# KiCad board ts52k.kicad_pcb (continued)
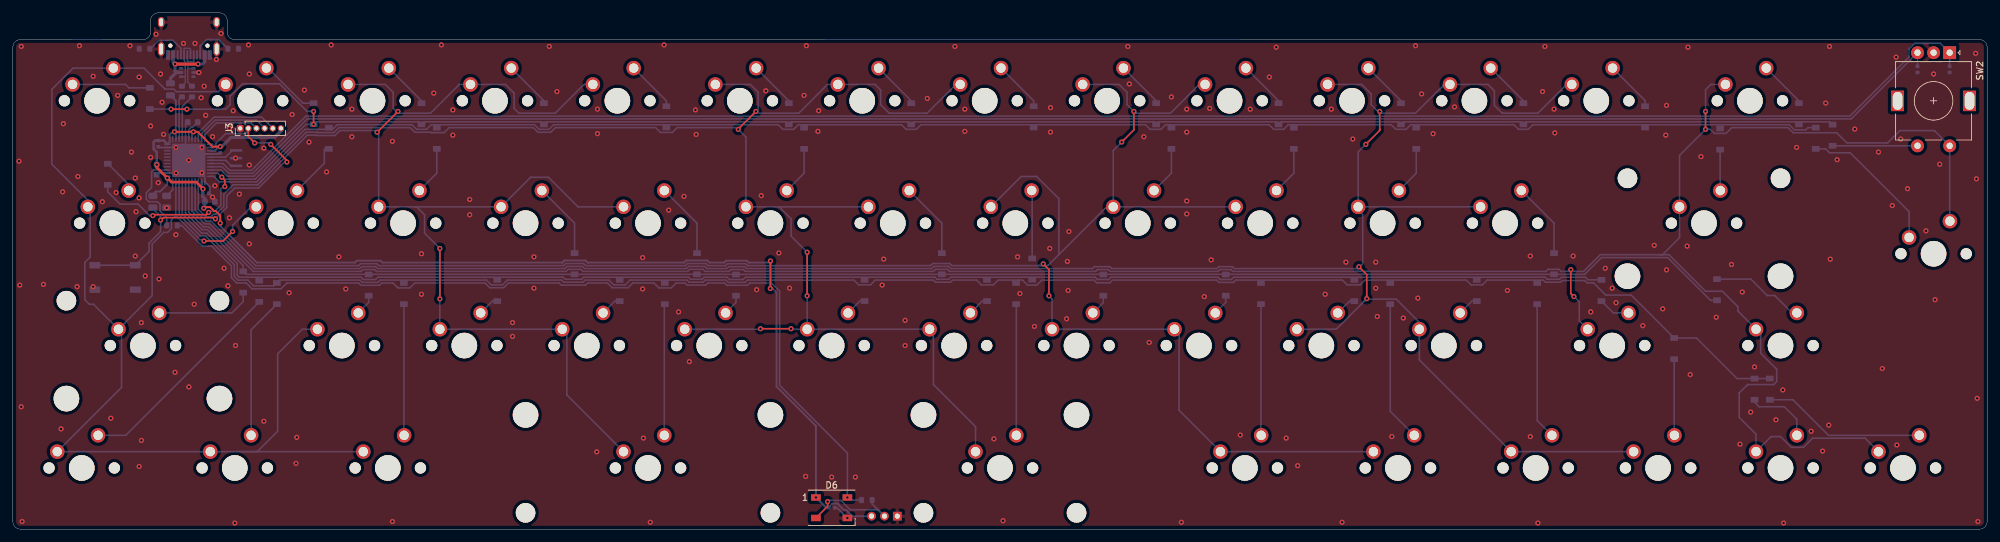
[diagram p0: board, top side]
## Routing (per net, layer and track width the routed paths; a pad name or vN(x,y) marks a point on that pad's centre or on a via; arc(x,y) is an arc through that point) (continued)
col3: length 252
  Top w0.25: v1(123.59,36.31) v1(123.59,43.1) ; v1(116.32,31.19) v1(121.09,31.19) ; v1(115.61,65.02) 112.87,62.28 v1(112.87,62.22)
  Bottom w0.25: 146.73,69.22 142.25,64.74 136.35,64.74 135.02,66.08 135.02,68.34 134.14,69.22 MX29.1 126.74,69.22 122.27,64.74 116.11,64.74 115.84,65.02 v1(115.61,65.02) 115.97,65.38 115.97,67.98 114.74,69.22 MX25.1 ; MX35.1 MX31.1 ; MX31.1 v1(123.59,36.31) ; MX31.1 121.17,31.12 v1(121.09,31.19) ; 119.22,50.17 121.09,48.3 121.09,45.6 v1(123.59,43.1) ; 119.22,50.17 MX30.1 ; 119.22,50.17 114.06,50.17 ; v1(116.32,31.19) 116.25,31.12 MX27.1 ; U1.22 31.3,54.9 32.16,54.04 37.89,54.04 45.63,61.78 47.39,61.78 47.45,61.72 49.93,61.72 50.71,62.49 61.81,62.49 62.53,61.78 64.98,61.78 65.04,61.72 67.1,61.72 67.88,62.49 80.97,62.49 81.69,61.78 83.7,61.78 84.42,62.49 100.01,62.49 100.75,61.75 102.6,61.75 103.35,62.49 112.6,62.49 v1(112.87,62.22) 114.06,61.03 MX26.1 ; MX60.1 149.78,15.95 143.23,22.5 143.23,30.36
col4: length 313.6
  Top w0.25: v1(160.32,41.29) 161.21,40.4 v1(161.21,36.31) ; v1(174.43,65.02) 174.43,62.15 v1(172.52,60.25)
  Bottom w0.25: 159.61,41.01 160.05,41.01 v1(160.32,41.29) ; 159.61,41.01 146.12,41.01 145.79,41.34 143.13,41.34 142.81,41.01 114.32,41.01 114.02,41.31 111.19,41.31 110.9,41.01 108.18,41.01 107.85,41.34 104.97,41.34 104.64,41.01 89.13,41.01 88.8,41.34 86.03,41.34 85.7,41.01 56.94,41.01 56.65,41.31 54.09,41.31 53.8,41.01 37.77,41.01 30.82,47.96 30.02,47.96 28.37,49.62 U1.26 ; 159.61,41.01 161.03,41.01 162.76,42.74 ; MX34.1 156.88,54.89 159.31,54.89 162.76,51.44 162.76,42.74 ; 162.76,42.74 170.18,50.17 MX38.1 ; 184.59,69.22 180.12,64.74 174.69,64.74 ; v1(174.43,65.02) 174.69,64.75 174.69,64.74 ; MX43.1 MX38.1 ; MX38.1 171.21,58.94 v1(172.52,60.25) ; 174.69,64.74 173.36,66.08 173.36,67.98 172.13,69.22 MX37.1 ; v1(161.21,36.31) 161.69,35.84 MX39.1 MX44.1 181.45,30.4 181.45,18.49 MX81.1 MX82.1
col5: length 357.3
  Top w0.25: v1(210.66,35.87) 210.66,39.61 v1(209.43,40.84) ; v1(212.67,65.02) 212.67,62.25 ; 212.67,62.25 212.67,62.06 v1(210.5,59.89) ; 212.67,62.25 212.65,62.22
  Bottom w0.25: MX48.1 205.9,31.12 209.91,35.12 ; MX56.1 MX47.1 209.31,58.7 v1(210.5,59.89) ; 208.99,40.56 190.02,40.56 189.73,40.86 187.63,40.86 187.34,40.56 170.97,40.56 170.68,40.86 168.29,40.86 168,40.56 145.93,40.56 145.6,40.89 143.32,40.89 142.99,40.56 114.13,40.56 113.84,40.86 111.38,40.86 111.09,40.56 107.99,40.56 107.67,40.89 105.15,40.89 104.83,40.56 88.94,40.56 88.62,40.89 86.21,40.89 85.89,40.56 56.75,40.56 56.46,40.86 54.28,40.86 53.99,40.56 37.58,40.56 30.63,47.51 29.84,47.51 27.87,49.48 U1.27 ; 208.99,40.56 209.16,40.56 v1(209.43,40.84) ; 208.99,40.56 209.28,40.56 210.03,41.31 210.03,48.93 209.31,49.65 ; MX51.1 229.51,69.22 230.51,68.22 230.51,65.96 231.7,64.77 231.82,64.77 231.84,64.74 237.29,64.74 241.76,69.22 ; MX52.1 218.84,32.2 215.24,35.8 210.74,35.8 v1(210.66,35.87) 209.91,35.12 ; MX46.1 209.87,69.22 211.34,67.75 211.34,66.08 212.67,64.74 ; 212.67,64.74 v1(212.67,65.02) ; 212.67,64.74 218.24,64.74 222.71,69.22 ; 209.91,35.12 210.58,35.8 ; 218.84,30.94 218.84,26.35 MX58.1 MX61.1
col6: length 405.2
  Top w0.25: v1(242.4,40.39) 242.4,36.68 v1(242.89,36.2) ; v1(263.37,65.02) v1(263.37,62.22)
  Bottom w0.25: 256.13,42.72 256.68,42.72 259.32,45.36 MX65.1 259.32,58.17 v1(263.37,62.22) 264.13,62.22 264.75,61.6 266.55,61.6 267.45,62.49 276.2,62.49 276.99,61.7 283.76,61.7 285.35,60.12 291.69,60.12 293.61,62.03 298.98,62.03 SW2.S2 301.35,47.98 ; 256.13,42.72 246.99,42.72 244.39,40.11 242.4,40.11 ; 256.13,42.72 257.68,42.72 263.37,37.03 265.99,37.03 268.39,34.63 268.39,33.95 MX66.1 271.94,30.4 271.94,27.38 274.44,24.88 274.44,22.98 273.96,22.5 269.92,22.5 268.61,21.19 268.61,17.38 271.22,14.76 MX67.1 273.57,14.41 275.04,14.41 276.7,12.74 278.61,12.74 280.02,14.16 288.18,14.16 MX71.1 ; MX75.1 243.72,32.42 243.72,35.36 v1(242.89,36.2) ; v1(263.37,65.02) 263.37,68.39 264.2,69.22 MX64.1 ; 242.4,40.11 240.87,40.11 240.55,40.44 238.87,40.44 238.54,40.11 189.8,40.11 189.5,40.41 187.82,40.41 187.52,40.11 170.74,40.11 170.45,40.41 168.76,40.41 168.46,40.11 145.74,40.11 145.42,40.44 143.56,40.44 143.23,40.11 113.94,40.11 113.65,40.41 111.72,40.41 111.43,40.11 107.69,40.11 107.37,40.44 105.34,40.44 105.01,40.11 88.7,40.11 88.38,40.44 86.4,40.44 86.07,40.11 56.56,40.11 56.27,40.41 54.46,40.41 54.17,40.11 37.4,40.11 30.45,47.06 29.65,47.06 27.37,49.35 U1.28 ; 242.4,40.11 v1(242.4,40.39)
D+: length 8
  Bottom w0.2: J1.A6 27.14,72.99 27.22,72.91 ; U2.1 27.23,71.73 27.22,71.72 ; 27.22,71.72 27.22,72.91 ; 27.22,71.72 27.22,69.58 R2.2 ; 27.22,72.91 27.35,72.79 28.09,72.79 28.14,72.84 J1.B6
D-: length 8.7
  Bottom w0.2: U2.4 26.79,70.43 26.82,70.4 ; R3.2 26.82,69.45 26.82,70.4 ; 26.82,70.4 26.82,72.75 26.64,72.93 J1.B7 26.64,74.79 26.69,74.84 27.51,74.84 27.64,74.7 J1.A7
MISO: length 9.8
  Bottom w0.25: U1.11 29.87,61.42 31.67,63.22 37.07,63.22 J3.3
MOSI: length 12
  Bottom w0.25: U1.10 29.37,61.55 31.48,63.67 37.89,63.67 J3.4
RESET: length 58.1
  Top w0.25: v1(42.64,57.13) 42.64,57.37 v1(40.12,59.89) ; J3.2 36.63,61.12 37.39,60.36 37.39,60.35 v1(37.62,60.11) ; v1(31.52,48.3) 31.33,48.49 23.41,48.49 23.13,48.21
  Bottom w0.25: v1(40.12,59.89) 39.9,60.11 v1(37.62,60.11) ; v1(42.64,57.13) 42.26,57.13 38.23,53.1 34.53,53.1 33.27,51.85 33.27,50.06 v1(31.52,48.3) ; 36.79,62.15 36.2,61.56 33.1,61.56 31.57,60.02 31.57,59.68 31.29,59.4 U1.13 ; 21.79,49.89 22.98,48.7 v1(22.98,48.1) 22.98,46.31 21.19,44.52 21.19,43.22 SW1.2 SW1.2
RGB: length 13.4
  Bottom w0.25: U1.36 22.92,55.9 22.86,55.96 21.91,55.96 21.58,55.64 21.58,53.19 20.76,52.37 20.76,51.37 21.18,50.96 22.49,50.96 22.91,50.55 22.91,49.55 23.94,48.51 R8.1
RGB2: length 16.5
  Top w0.25: v1(126.76,4.28) 126.76,3.55 D6.2
  Bottom w0.25: v1(126.76,4.28) 126.95,4.47 128.84,4.47 130.29,3.02 134.61,3.02 J2.2 133.7,3.94 R7.1
row1: length 291.1
  Top w0.25: v1(24.62,65.37) v1(27.09,65.37) ; v1(46.79,65.02) v1(46.79,63)
  Bottom w0.25: v1(46.79,65.02) 45.79,65.02 41.49,69.32 35.75,69.32 33.81,67.39 33.81,66.08 33.1,65.37 v1(27.09,65.37) ; D2.1 24.6,65.38 v1(24.62,65.37) ; 277.5,63.39 282.71,63.39 282.92,63.18 ; 277.5,63.39 D63.1 ; 277.5,63.39 235.42,63.39 D51.2 234.64,63.39 216.37,63.39 D46.1 215.59,63.39 197.32,63.39 D42.2 196.54,63.39 178.27,63.39 D37.1 177.49,63.39 140.17,63.39 D29.2 139.39,63.39 121.12,63.39 D25.1 120.34,63.39 83.02,63.39 D16.2 82.24,63.39 63.97,63.39 D11.1 63.19,63.39 47.18,63.39 v1(46.79,63) 45.58,63 37.52,54.94 33.38,54.94 32.42,55.9 U1.20
row2: length 284.5
  Top w0.25: 22.03,48.94 30.1,48.94 v1(30.47,49.3) ; v1(32.5,54.79) 32.98,54.32 v1(32.98,53.32)
  Bottom w0.25: U1.21 31.89,55.4 v1(32.5,54.79) 32.5,54.65 32.66,54.49 37.71,54.49 45.44,62.23 49.72,62.23 50.44,62.94 62.11,62.94 62.83,62.23 64.37,62.23 65.09,62.94 81.16,62.94 81.88,62.23 83.42,62.23 84.14,62.94 119.09,62.94 119.8,62.23 121.48,62.23 122.2,62.94 138.27,62.94 138.99,62.23 140.57,62.23 141.29,62.94 176.24,62.94 176.96,62.23 178.63,62.23 179.35,62.94 195.46,62.94 196.18,62.23 197.72,62.23 198.44,62.94 214.47,62.94 215.19,62.23 216.77,62.23 217.49,62.94 233.56,62.94 234.28,62.23 235.78,62.23 236.5,62.94 276.39,62.94 277.18,62.15 278.96,62.15 279.3,62.49 D87.2 ; D3.1 14.76,52.51 16.67,50.6 19.47,50.6 21.27,48.8 v1(21.77,48.8) ; v1(32.98,53.32) 32.72,53.32 32.37,52.97 32.37,50.44 31.4,49.47 30.64,49.47 v1(30.47,49.3)
row3: length 251.4
  Bottom w0.25: 55.4,39.66 D56.2 244.57,39.66 247.17,42.27 257.49,42.27 264.14,35.62 D65.1 ; 55.33,39.66 36.28,39.66 D4.1 35.84,41.04 30.26,46.61 29.46,46.61 26.87,49.21 U1.29
row4: length 233.4
  Bottom w0.25: D88.1 245.09,38.8 244.67,39.21 240.94,39.21 240.62,38.89 238.73,38.89 238.41,39.21 189.95,39.21 189.59,38.86 187.84,38.86 187.48,39.21 170.86,39.21 170.5,38.86 168.76,38.86 168.4,39.21 145.93,39.21 145.6,38.89 143.8,38.89 143.47,39.21 113.99,39.21 113.63,38.86 111.49,38.86 111.13,39.21 107.56,39.21 107.23,38.89 105.46,38.89 105.13,39.21 88.82,39.21 88.5,38.89 85.93,38.89 85.61,39.21 56.79,39.21 56.43,38.86 54.53,38.86 54.17,39.21 35.2,39.21 34.91,39.5 34.91,41.32 30.16,46.08 29.36,46.08 26.37,49.07 U1.30
row5: length 271.6
  Bottom w0.25: D70.2 D66.1 268.27,23.44 261.96,29.75 D61.2 251.8,36.43 247.84,36.43 245.93,38.34 244.91,38.34 244.56,38.7 241.06,38.7 240.8,38.44 238.45,38.44 238.13,38.76 229.38,38.76 228.64,38.02 226.89,38.02 226.15,38.77 210.36,38.77 209.62,38.02 207.6,38.02 206.86,38.76 190.26,38.76 189.9,38.41 187.65,38.41 187.29,38.76 171.09,38.76 170.67,38.34 168.64,38.34 168.21,38.77 160.09,38.77 159.31,37.98 157.88,37.98 157.09,38.76 153.3,38.76 152.56,38.02 150.69,38.02 149.95,38.76 146.21,38.76 145.88,38.44 143.56,38.44 143.23,38.76 134.18,38.76 133.44,38.02 131.59,38.02 130.85,38.76 114.3,38.76 113.94,38.41 111.3,38.41 110.94,38.76 107.74,38.76 107.42,38.44 105.22,38.44 104.89,38.76 96.03,38.76 95.29,38.02 93.49,38.02 92.75,38.76 89.06,38.76 88.73,38.44 85.69,38.44 85.37,38.76 76.91,38.76 76.17,38.02 74.44,38.02 73.7,38.76 57.15,38.76 56.79,38.41 54.35,38.41 53.99,38.76 41.52,38.76 D9.1 40.62,37.86 37.45,37.86 36.55,38.76 35.01,38.76 34.46,39.32 34.46,41.14 29.97,45.63 29.18,45.63 25.87,48.94 U1.31
rpg1: length 282.6
  Bottom w0.25: 301.35,72.15 301.35,74.16 ; U1.18 32.69,56.9 33.76,55.84 37.15,55.84 45.6,64.29 285.84,64.29 295.02,73.48 295.02,74.76 295.87,75.61 299.91,75.61 SW2.A
rpg2: length 275.8
  Bottom w0.25: U1.19 32.56,56.4 33.57,55.39 37.33,55.39 45.79,63.84 286.03,63.84 SW2.B ; 296.34,72.15 296.34,74.16
SCLK: length 14.3
  Bottom w0.25: J3.5 38.71,64.12 31.3,64.12 28.87,61.69 U1.9
Net-(C1-Pad1): length 3.3
  Bottom w0.25: U1.6 27.37,62.14 27.79,62.57 27.98,62.57 C1.1
Net-(D2-Pad2): length 12.2
  Bottom w0.25: MX2.1 17.54,69.22 18.07,68.68 D2.2
Net-(D3-Pad2): length 4.6
  Bottom w0.25: 14.8,56.88 18.02,53.66
Net-(D4-Pad2): length 15.1
  Bottom w0.25: 35.84,36.69 35.84,35.42 34.07,33.66 MX4.2
Net-(D5-Pad2): length 33.7
  Bottom w0.25: MX5.2 17.57,14.61 D5.2
Net-(D6-Pad4): length 142.2
  Bottom w0.25: R7.2 130.26,4.52 v1(129.85,4.93) 129.85,11.84 119.3,22.38 119.3,37.03 118.01,38.31 114.66,38.31 114.3,37.96 111.09,37.96 110.73,38.31 108.11,38.31 107.78,37.99 104.89,37.99 104.56,38.31 103.2,38.31 102.44,37.55 100.52,37.55 99.75,38.31 96.44,38.31 95.7,37.57 93.25,37.57 92.51,38.31 89.42,38.31 89.09,37.99 85.34,37.99 85.01,38.31 77.1,38.31 76.36,37.57 74.2,37.57 73.46,38.31 62.53,38.31 61.77,37.55 59.92,37.55 59.77,37.69 59.77,37.7 59.15,38.31 57.39,38.31 57.03,37.96 54.16,37.96 53.8,38.31 42.62,38.31 41.72,37.41 37.22,37.41 36.31,38.31 34.83,38.31 34.01,39.13 34.01,40.95 30.91,44.05 29.48,44.05 26.26,47.27 R8.2
Net-(D7-Pad1): length 9.4
  Bottom w0.25: 39.69,71.76 45.14,66.3 D7.1
Net-(D8-Pad1): length 8.2
  Bottom w0.25: MX8.2 48.46,56.95 48.46,59.19
Net-(D9-Pad2): length 22.1
  Bottom w0.25: D9.2 37.07,31.01 MX9.2
Net-(D11-Pad2): length 7.6
  Bottom w0.25: D11.2 63.58,66.68 MX11.2
Net-(D12-Pad2): length 7.6
  Bottom w0.25: MX12.2 65.96,55.4 D12.2
Net-(D13-Pad1): length 3.3
  Bottom w0.25: D13.1 55.36,35.28 MX13.2
Net-(D14-Pad1): length 20.4
  Bottom w0.25: D14.1 60.84,14.64
Net-(D16-Pad1): length 7.6
  Bottom w0.25: D16.1 82.63,66.68 MX16.2
Net-(D17-Pad2): length 11.8
  Bottom w0.25: MX17.2 87.39,47.63 D17.2
Net-(D18-Pad2): length 3.3
  Bottom w0.25: MX18.2 74.63,35.5 D18.2
Net-(D20-Pad1): length 8
  Bottom w0.25: D20.1 101.68,66.68 MX20.2
Net-(D21-Pad1): length 11.8
  Bottom w0.25: D21.1 106.44,47.63 MX21.2
Net-(D22-Pad1): length 3.3
  Bottom w0.25: MX22.2 93.68,35.5 D22.1
Net-(D23-Pad2): length 20.3
  Bottom w0.25: MX23.2 101.36,34.94
Net-(D25-Pad2): length 7.6
  Bottom w0.25: D25.2 120.73,66.68 MX25.2
Net-(D26-Pad2): length 7.6
  Bottom w0.25: MX26.2 123.11,55.4 D26.2
Net-(D27-Pad2): length 3.3
  Bottom w0.25: D27.2 112.51,35.28 MX27.2
Net-(D29-Pad1): length 7.6
  Bottom w0.25: D29.1 139.78,66.67 MX29.2
Net-(D30-Pad1): length 11.8
  Bottom w0.25: D30.1 144.54,47.62 MX30.2
Net-(D31-Pad2): length 3.3
  Bottom w0.25: D31.2 131.78,35.5 129.94,33.66
Net-(D33-Pad1): length 8
  Bottom w0.25: MX33.2 158.83,66.67 D33.1
Net-(D34-Pad2): length 10.5
  Bottom w0.25: D34.2 158.59,52.63
Net-(D35-Pad1): length 3.3
  Bottom w0.25: MX35.2 150.83,35.5 D35.1
Net-(D37-Pad2): length 7.6
  Bottom w0.25: MX37.2 177.88,66.67 D37.2
Net-(D38-Pad2): length 7.6
  Bottom w0.25: MX38.2 180.26,55.41 D38.2
Net-(D39-Pad2): length 3.3
  Bottom w0.25: MX39.2 169.66,35.28 D39.2
Net-(D40-Pad1): length 20.4
  Bottom w0.25: MX60.2 156.13,34.98
Net-(D42-Pad1): length 7.6
  Bottom w0.25: MX42.2 196.93,66.67 D42.1
Net-(D43-Pad1): length 7.6
  Bottom w0.25: D43.1 199.31,55.41 MX43.2
Net-(D44-Pad1): length 3.3
  Bottom w0.25: D44.1 188.71,35.28 MX44.2
Net-(D46-Pad2): length 7.6
  Bottom w0.25: D46.2 215.98,66.67 MX46.2
Net-(D47-Pad2): length 7.6
  Bottom w0.25: D47.2 218.36,55.41 MX47.2
Net-(D48-Pad2): length 3.3
  Bottom w0.25: MX48.2 207.98,35.5 D48.2
Net-(D49-Pad2): length 20.4
  Bottom w0.25: D49.2 194.19,14.64
Net-(D51-Pad1): length 7.6
  Bottom w0.25: MX51.2 235.03,66.67 D51.1
Net-(D52-Pad1): length 3.3
  Bottom w0.25: D52.1 227.03,35.5 225.19,33.66
Net-(D53-Pad1): length 22
  Bottom w0.25: MX82.2 214.31,18.34 D53.1
Net-(D55-Pad1): length 8
  Bottom w0.25: MX55.2 253.96,66.7 D55.1
Net-(D56-Pad1): length 11.8
  Bottom w0.25: MX56.2 239.79,47.62 D56.1
Net-(D58-Pad2): length 21.4
  Bottom w0.25: MX58.2 237.17,16.91 D58.2
Net-(D61-Pad1): length 11.8
  Bottom w0.25: D61.1 258.49,14.64
Net-(D63-Pad2): length 7.6
  Bottom w0.25: D63.2 277.89,66.67 MX64.2
Net-(D64-Pad2): length 6.3
  Bottom w0.25: D64.2 265.63,52.74
Net-(D65-Pad2): length 13.9
  Bottom w0.25: 276.84,33.66 274.13,36.37 272.96,36.37 270.41,38.92 D65.2
Net-(D66-Pad2): length 10.6
  Bottom w0.25: MX67.2 277.57,17.11 275.63,19.05 271.7,19.05 270.99,19.76 D66.2
Net-(D68-Pad1): length 13.2
  Bottom w0.25: D68.1 296.34,59.67
Net-(D70-Pad1): length 25.5
  Bottom w0.25: D70.1 276.96,20.14 282.5,14.61 MX71.2
Net-(D87-Pad1): length 22.6
  Bottom w0.25: MX74.1 295.04,49.41 285.87,58.58 282.66,58.58 282.04,59.19 D87.1
Net-(D88-Pad2): length 5
  Bottom w0.25: D88.2 249.02,33.66 MX75.2
Net-(J1-PadA5): length 6.8
  Bottom w0.25: J1.A5 26.14,74.84 24.88,76.1 22.73,76.1 21.4,74.77
Net-(J1-PadB5): length 6.7
  Bottom w0.25: R6.2 32.03,76.2 30.17,76.2 29.14,75.18 J1.B5
Net-(R2-Pad1): length 7.2
  Bottom w0.25: U1.4 26.37,65.79 R2.1
Net-(R3-Pad1): length 6.7
  Bottom w0.25: U1.3 25.87,66.84 R3.1
Net-(R4-Pad1): length 2.6
  Bottom w0.25: R4.1 24.87,52.81 U1.33
Net-(U1-Pad16): length 3.9
  Bottom w0.25: 34.13,58.95 33.09,57.9 U1.16
Net-(U1-Pad17): length 3.6
  Bottom w0.25: U1.17 33.12,57.4 33.98,56.55

## Copper pours and planes (outline as drawn; the poured copper is in the pictures)
+5V on Bottom: 132.27,1.87 132.42,1.87 132.55,1.85 132.66,1.82 132.76,1.78 132.84,1.73 132.92,1.67 133,1.61 133.09,1.55 133.2,1.48 133.32,1.42 133.95,2.02 133.32,2.63 133.2,2.57 133.09,2.5 133,2.44 132.92,2.38 132.84,2.32 132.76,2.27 132.66,2.23 132.55,2.2 132.42,2.18 132.27,2.17
+5V on Bottom: 41.47,61.36 41.56,61.45 41.63,61.53 41.69,61.6 41.75,61.66 41.89,61.84 41.94,61.9 42,61.96 42.07,62.04 41.74,62.64 41.24,62.23 41.26,62.17 41.27,62.12 41.28,62.06 41.28,62.01 41.27,61.97 41.26,61.92 41.24,61.87 41.21,61.82 41.17,61.77 41.12,61.71
+5V on Bottom: 41.47,61.36 41.56,61.45 41.63,61.53 41.69,61.6 41.75,61.66 41.89,61.84 41.94,61.9 42,61.96 42.07,62.04 41.74,62.64 41.24,62.23 41.26,62.17 41.27,62.12 41.28,62.06 41.28,62.01 41.27,61.97 41.26,61.92 41.24,61.87 41.21,61.82 41.17,61.77 41.12,61.72
GND on Top, Bottom: 307.18,0 0,0 0,80.96 307.3,80.96
col1 on Bottom: 17.93,32.79 17.73,32.61 17.55,32.49 17.38,32.41 17.21,32.36 17.04,32.33 16.87,32.32 16.7,32.31 16.51,32.29 16.3,32.25 16.06,32.18 16.03,30.72 17.49,30.75 17.56,30.98 17.6,31.19 17.62,31.38 17.63,31.56 17.65,31.73 17.67,31.89 17.72,32.06 17.8,32.23 17.93,32.42 18.11,32.61
col1 on Bottom: 17.03,28.96 17.05,29.26 17.08,29.51 17.14,29.72 17.21,29.91 17.29,30.08 17.36,30.24 17.44,30.41 17.49,30.61 17.54,30.83 17.56,31.1 16.19,31.63 15.72,30.24 15.89,30.12 16.05,30.01 16.2,29.92 16.34,29.83 16.46,29.74 16.57,29.64 16.66,29.52 16.73,29.37 16.77,29.19 16.78,28.96
col1 on Bottom: 12.15,47.97 12.16,48.27 12.2,48.51 12.26,48.71 12.34,48.89 12.42,49.05 12.51,49.2 12.59,49.37 12.67,49.55 12.74,49.76 12.78,50.02 11.49,50.7 10.86,49.38 11.02,49.23 11.18,49.1 11.46,48.9 11.59,48.8 11.69,48.69 11.78,48.56 11.84,48.4 11.89,48.21 11.9,47.97
col1 on Bottom: 32.96,12.19 32.7,12.21 32.48,12.25 32.3,12.31 32.15,12.39 32.01,12.49 31.88,12.6 31.75,12.72 31.6,12.84 31.42,12.96 31.21,13.08 30.16,12.07 31.21,11.05 31.42,11.17 31.6,11.29 31.75,11.41 31.88,11.53 32.01,11.64 32.15,11.74 32.3,11.82 32.48,11.88 32.7,11.93 32.96,11.94
col1 on Bottom: 52.29,11.94 52.55,11.93 52.77,11.88 52.95,11.82 53.1,11.74 53.24,11.64 53.37,11.53 53.5,11.41 53.65,11.29 53.83,11.17 54.04,11.05 55.09,12.07 54.04,13.08 53.83,12.96 53.65,12.84 53.5,12.72 53.37,12.6 53.24,12.49 53.1,12.39 52.95,12.31 52.77,12.25 52.55,12.21 52.29,12.19
col1 on Bottom: 9.15,12.19 8.88,12.21 8.67,12.25 8.49,12.31 8.33,12.39 8.2,12.49 8.07,12.6 7.94,12.72 7.79,12.84 7.61,12.96 7.4,13.08 6.34,12.07 7.4,11.05 7.61,11.17 7.79,11.29 7.94,11.41 8.07,11.53 8.2,11.64 8.33,11.74 8.49,11.82 8.67,11.88 8.88,11.93 9.15,11.94
col1 on Bottom: 17.88,71.88 17.62,71.9 17.4,71.94 17.22,72 17.07,72.08 16.93,72.18 16.8,72.29 16.67,72.41 16.52,72.53 16.34,72.65 16.13,72.77 15.07,71.76 16.13,70.74 16.34,70.86 16.52,70.98 16.67,71.1 16.8,71.22 16.93,71.33 17.07,71.43 17.22,71.51 17.4,71.57 17.62,71.62 17.88,71.63
col1 on Bottom: 14.75,32.61 14.93,32.42 15.06,32.23 15.14,32.06 15.19,31.89 15.21,31.73 15.23,31.56 15.24,31.38 15.26,31.19 15.3,30.98 15.37,30.75 16.83,30.72 16.8,32.18 16.57,32.25 16.36,32.29 16.16,32.31 15.99,32.32 15.82,32.33 15.65,32.36 15.49,32.41 15.31,32.49 15.13,32.61 14.93,32.79
col1 on Bottom: 10.69,52 10.82,51.85 10.9,51.71 10.94,51.58 10.95,51.45 10.93,51.32 10.89,51.18 10.83,51.04 10.69,50.74 10.62,50.57 11.71,49.6 12.46,50.96 12.29,51.13 12.12,51.26 11.98,51.37 11.83,51.45 11.7,51.54 11.56,51.62 11.41,51.72 11.25,51.84 11.07,51.98 10.87,52.17
col1 on Bottom: 8.4,13.74 8.21,13.56 8.02,13.44 7.85,13.36 7.68,13.31 7.52,13.28 7.35,13.27 7.17,13.26 6.98,13.24 6.77,13.2 6.54,13.13 6.51,11.67 7.97,11.7 8.04,11.93 8.08,12.14 8.1,12.33 8.11,12.51 8.12,12.68 8.15,12.84 8.2,13.01 8.28,13.18 8.4,13.37 8.58,13.56
col1 on Bottom: 28.47,11.94 28.74,11.93 28.96,11.88 29.14,11.82 29.29,11.74 29.42,11.64 29.55,11.53 29.69,11.41 29.84,11.29 30.01,11.17 30.23,11.05 31.28,12.07 30.23,13.08 30.01,12.96 29.84,12.84 29.69,12.72 29.55,12.6 29.42,12.49 29.29,12.39 29.14,12.31 28.96,12.25 28.74,12.21 28.47,12.19
col1 on Bottom: 31.31,67.97 31.56,67.97 31.76,67.98 31.94,67.99 32.1,68.01 32.38,68.05 32.53,68.06 32.69,68.08 32.88,68.09 33.1,68.09 33.5,69.61 32.04,69.58 31.98,69.39 31.95,69.19 31.93,69 31.91,68.82 31.88,68.66 31.84,68.51 31.77,68.39 31.66,68.3 31.51,68.24 31.31,68.22
col1 on Bottom: 13.39,71.63 13.66,71.62 13.88,71.57 14.06,71.51 14.21,71.43 14.34,71.33 14.47,71.22 14.61,71.1 14.76,70.98 14.93,70.86 15.15,70.74 16.2,71.76 15.15,72.77 14.93,72.65 14.76,72.53 14.61,72.41 14.47,72.29 14.34,72.18 14.21,72.08 14.06,72 13.88,71.94 13.66,71.9 13.39,71.88
col1 on Bottom: 45.14,30.99 45.41,30.98 45.63,30.93 45.81,30.87 45.96,30.79 46.09,30.69 46.22,30.58 46.36,30.46 46.51,30.34 46.68,30.22 46.9,30.1 47.95,31.12 46.9,32.13 46.68,32.01 46.51,31.89 46.36,31.77 46.22,31.65 46.09,31.54 45.96,31.44 45.81,31.36 45.63,31.3 45.41,31.26 45.14,31.24
col1 on Bottom: 36.06,48.98 36.23,49.13 36.38,49.22 36.52,49.27 36.67,49.29 36.81,49.28 36.96,49.25 37.11,49.21 37.28,49.16 37.46,49.1 37.65,49.06 38.4,50.31 37.07,50.96 36.89,50.77 36.76,50.59 36.66,50.42 36.58,50.25 36.51,50.09 36.44,49.93 36.35,49.76 36.24,49.58 36.09,49.38 35.89,49.16
col2 on Bottom: 88.34,68.51 88.49,68.64 88.63,68.71 88.76,68.73 88.89,68.71 89.02,68.66 89.16,68.58 89.29,68.49 89.44,68.39 89.59,68.29 89.76,68.2 90.81,69.22 89.45,70.01 89.29,69.85 89.16,69.71 89.04,69.59 88.62,69.15 88.49,69.02 88.34,68.87 88.16,68.69
col2 on Bottom: 56.79,52.41 56.77,52.14 56.73,51.93 56.67,51.75 56.58,51.59 56.49,51.46 56.38,51.33 56.26,51.2 56.14,51.05 56.02,50.87 55.9,50.66 56.91,49.6 57.92,50.66 57.81,50.87 57.69,51.05 57.56,51.2 57.45,51.33 57.34,51.46 57.24,51.59 57.16,51.75 57.09,51.93 57.05,52.14 57.04,52.41
col2 on Bottom: 73.44,69.34 73.18,69.36 72.96,69.4 72.78,69.46 72.63,69.54 72.49,69.64 72.36,69.75 72.23,69.87 72.08,69.99 71.9,70.11 71.69,70.23 70.64,69.22 71.69,68.2 71.9,68.32 72.08,68.44 72.23,68.56 72.36,68.68 72.49,68.79 72.63,68.89 72.78,68.97 72.96,69.03 73.18,69.08 73.44,69.09
col2 on Bottom: 54.39,69.34 54.13,69.36 53.91,69.4 53.73,69.46 53.58,69.54 53.44,69.64 53.31,69.75 53.18,69.87 53.03,69.99 52.85,70.11 52.64,70.23 51.59,69.22 52.64,68.2 52.85,68.32 53.03,68.44 53.18,68.56 53.31,68.68 53.44,68.79 53.58,68.89 53.73,68.97 53.91,69.03 54.13,69.08 54.39,69.09
col2 on Bottom: 59.16,50.29 58.89,50.31 58.67,50.35 58.49,50.41 58.34,50.49 58.21,50.59 58.08,50.7 57.94,50.82 57.79,50.94 57.62,51.06 57.4,51.18 56.35,50.17 57.4,49.15 57.62,49.27 57.79,49.39 57.94,49.51 58.08,49.63 58.21,49.74 58.34,49.84 58.49,49.92 58.67,49.98 58.89,50.03 59.16,50.04
col2 on Bottom: 92.77,50.04 93.03,50.03 93.25,49.98 93.43,49.92 93.58,49.84 93.72,49.74 93.85,49.63 93.98,49.51 94.13,49.39 94.31,49.27 94.52,49.15 95.57,50.17 94.52,51.18 94.31,51.06 94.13,50.94 93.98,50.82 93.85,50.7 93.72,50.59 93.58,50.49 93.43,50.41 93.25,50.35 93.03,50.31 92.77,50.29
col2 on Bottom: 69.18,68.77 69.35,68.9 69.5,68.96 69.64,68.96 69.78,68.91 69.92,68.82 70.06,68.7 70.2,68.57 70.36,68.44 70.52,68.31 70.71,68.2 71.76,69.22 70.4,70.01 70.25,69.86 70.11,69.75 69.98,69.65 69.85,69.58 69.73,69.5 69.61,69.43 69.48,69.34 69.34,69.24 69.18,69.11 69.01,68.94
col2 on Bottom: 93.34,13.56 93.51,13.37 93.64,13.18 93.72,13.01 93.77,12.84 93.8,12.68 93.81,12.51 93.82,12.33 93.84,12.14 93.88,11.93 93.95,11.7 95.41,11.67 95.38,13.13 95.15,13.2 94.94,13.24 94.75,13.26 94.57,13.27 94.4,13.28 94.23,13.31 94.07,13.36 93.89,13.44 93.71,13.56 93.51,13.74
col2 on Bottom: 73.72,50.04 73.98,50.03 74.2,49.98 74.38,49.92 74.53,49.84 74.67,49.74 74.8,49.63 74.93,49.51 75.08,49.39 75.26,49.27 75.47,49.15 76.52,50.17 75.47,51.18 75.26,51.06 75.08,50.94 74.93,50.82 74.8,50.7 74.67,50.59 74.53,50.49 74.38,50.41 74.2,50.35 73.98,50.31 73.72,50.29
col2 on Bottom: 77.46,51.84 77.26,51.66 77.08,51.54 76.91,51.46 76.74,51.41 76.58,51.38 76.41,51.37 76.23,51.36 76.04,51.34 75.83,51.3 75.59,51.23 75.56,49.77 77.02,49.8 77.09,50.03 77.13,50.24 77.15,50.43 77.16,50.61 77.18,50.78 77.2,50.94 77.25,51.11 77.33,51.28 77.46,51.47 77.64,51.66
col2 on Bottom: 68.68,31.24 68.42,31.26 68.2,31.3 68.02,31.36 67.87,31.44 67.73,31.54 67.6,31.65 67.47,31.77 67.32,31.89 67.14,32.01 66.93,32.13 65.87,31.12 66.93,30.1 67.14,30.22 67.32,30.34 67.47,30.46 67.6,30.58 67.73,30.69 67.87,30.79 68.02,30.87 68.2,30.93 68.42,30.98 68.68,30.99
col2 on Bottom: 83.24,30.99 83.51,30.98 83.73,30.93 83.91,30.87 84.06,30.79 84.19,30.69 84.32,30.58 84.46,30.46 84.61,30.34 84.78,30.22 85,30.1 86.05,31.12 85,32.13 84.78,32.01 84.61,31.89 84.46,31.77 84.32,31.65 84.19,31.54 84.06,31.44 83.91,31.36 83.73,31.3 83.51,31.26 83.24,31.24
col2 on Bottom: 66.31,33.36 66.3,33.09 66.26,32.88 66.19,32.7 66.11,32.54 66.01,32.41 65.9,32.28 65.78,32.15 65.66,32 65.54,31.82 65.42,31.61 66.44,30.55 67.45,31.61 67.33,31.82 67.21,32 67.09,32.15 66.97,32.28 66.86,32.41 66.76,32.54 66.68,32.7 66.62,32.88 66.58,33.09 66.56,33.36
col2 on Bottom: 86.33,29.12 86.33,29.39 86.36,29.63 86.39,29.82 86.43,30 86.47,30.16 86.51,30.32 86.55,30.48 86.58,30.66 86.6,30.87 86.61,31.12 85.13,31.55 85.01,30.1 85.18,30.02 85.35,29.96 85.5,29.9 85.64,29.84 85.76,29.78 85.87,29.69 85.96,29.6 86.02,29.47 86.06,29.31 86.08,29.12
col3 on Bottom: 116.31,50.29 116.04,50.31 115.82,50.35 115.64,50.41 115.49,50.49 115.36,50.59 115.23,50.7 115.09,50.82 114.94,50.94 114.77,51.06 114.55,51.18 113.5,50.17 114.55,49.15 114.77,49.27 114.94,49.39 115.09,49.51 115.23,49.63 115.36,49.74 115.49,49.84 115.64,49.92 115.82,49.98 116.04,50.03 116.31,50.04
col3 on Bottom: 113.94,52.41 113.92,52.14 113.88,51.93 113.82,51.75 113.73,51.59 113.64,51.46 113.53,51.33 113.41,51.2 113.29,51.05 113.17,50.87 113.05,50.66 114.06,49.6 115.07,50.66 114.96,50.87 114.84,51.05 114.72,51.2 114.6,51.33 114.49,51.46 114.39,51.59 114.31,51.75 114.24,51.93 114.2,52.14 114.19,52.41
col3 on Bottom: 130.87,50.04 131.13,50.03 131.35,49.98 131.53,49.92 131.68,49.84 131.82,49.74 131.95,49.63 132.08,49.51 132.23,49.39 132.41,49.27 132.62,49.15 133.67,50.17 132.62,51.18 132.41,51.06 132.23,50.94 132.08,50.82 131.95,50.7 131.82,50.59 131.68,50.49 131.53,50.41 131.35,50.35 131.13,50.31 130.87,50.29
col3 on Bottom: 106.78,31.24 106.52,31.26 106.3,31.3 106.12,31.36 105.97,31.44 105.83,31.54 105.7,31.65 105.57,31.77 105.42,31.89 105.24,32.01 105.03,32.13 103.97,31.12 105.03,30.1 105.24,30.22 105.42,30.34 105.57,30.46 105.7,30.58 105.83,30.69 105.97,30.79 106.12,30.87 106.3,30.93 106.52,30.98 106.78,30.99
col3 on Bottom: 125.83,31.24 125.57,31.26 125.35,31.3 125.17,31.36 125.02,31.44 124.88,31.54 124.75,31.65 124.62,31.77 124.47,31.89 124.29,32.01 124.08,32.13 123.02,31.12 124.08,30.1 124.29,30.22 124.47,30.34 124.62,30.46 124.75,30.58 124.88,30.69 125.02,30.79 125.17,30.87 125.35,30.93 125.57,30.98 125.83,30.99
col3 on Bottom: 145.63,67.94 145.8,68.09 145.96,68.19 146.11,68.25 146.26,68.27 146.4,68.27 146.56,68.24 146.72,68.21 146.89,68.17 147.08,68.13 147.29,68.1 147.93,69.41 146.59,70 146.42,69.8 146.29,69.61 146.19,69.43 146.12,69.26 146.06,69.09 145.99,68.91 145.91,68.74 145.8,68.55 145.65,68.34 145.45,68.12
col3 on Bottom: 126.37,68.67 126.53,68.8 126.68,68.86 126.82,68.87 126.95,68.83 127.09,68.76 127.23,68.66 127.37,68.54 127.52,68.42 127.68,68.3 127.86,68.2 128.91,69.22 127.55,70.01 127.4,69.86 127.26,69.73 127.13,69.63 127.02,69.54 126.79,69.37 126.66,69.27 126.53,69.16 126.37,69.02 126.2,68.85
col3 on Bottom: 130.59,69.34 130.33,69.36 130.11,69.4 129.93,69.46 129.78,69.54 129.64,69.64 129.51,69.75 129.38,69.87 129.23,69.99 129.05,70.11 128.84,70.23 127.79,69.22 128.84,68.2 129.05,68.32 129.23,68.44 129.38,68.56 129.51,68.68 129.64,68.79 129.78,68.89 129.93,68.97 130.11,69.03 130.33,69.08 130.59,69.09
col3 on Bottom: 123.46,33.36 123.45,33.09 123.41,32.88 123.34,32.7 123.26,32.54 123.16,32.41 123.05,32.28 122.93,32.15 122.81,32 122.69,31.82 122.57,31.61 123.59,30.55 124.6,31.61 124.48,31.82 124.36,32 124.24,32.15 124.12,32.28 124.01,32.41 123.91,32.54 123.83,32.7 123.77,32.88 123.73,33.09 123.71,33.36
col3 on Bottom: 121.34,30.99 121.61,30.98 121.83,30.93 122.01,30.87 122.16,30.79 122.29,30.69 122.42,30.58 122.56,30.46 122.71,30.34 122.88,30.22 123.1,30.1 124.15,31.12 123.1,32.13 122.88,32.01 122.71,31.89 122.56,31.77 122.42,31.65 122.29,31.54 122.16,31.44 122.01,31.36 121.83,31.3 121.61,31.26 121.34,31.24
